# Altium PCB pcb-4layer-1oz-1.6mm.PcbDoc (part 2 of 4) (continued)
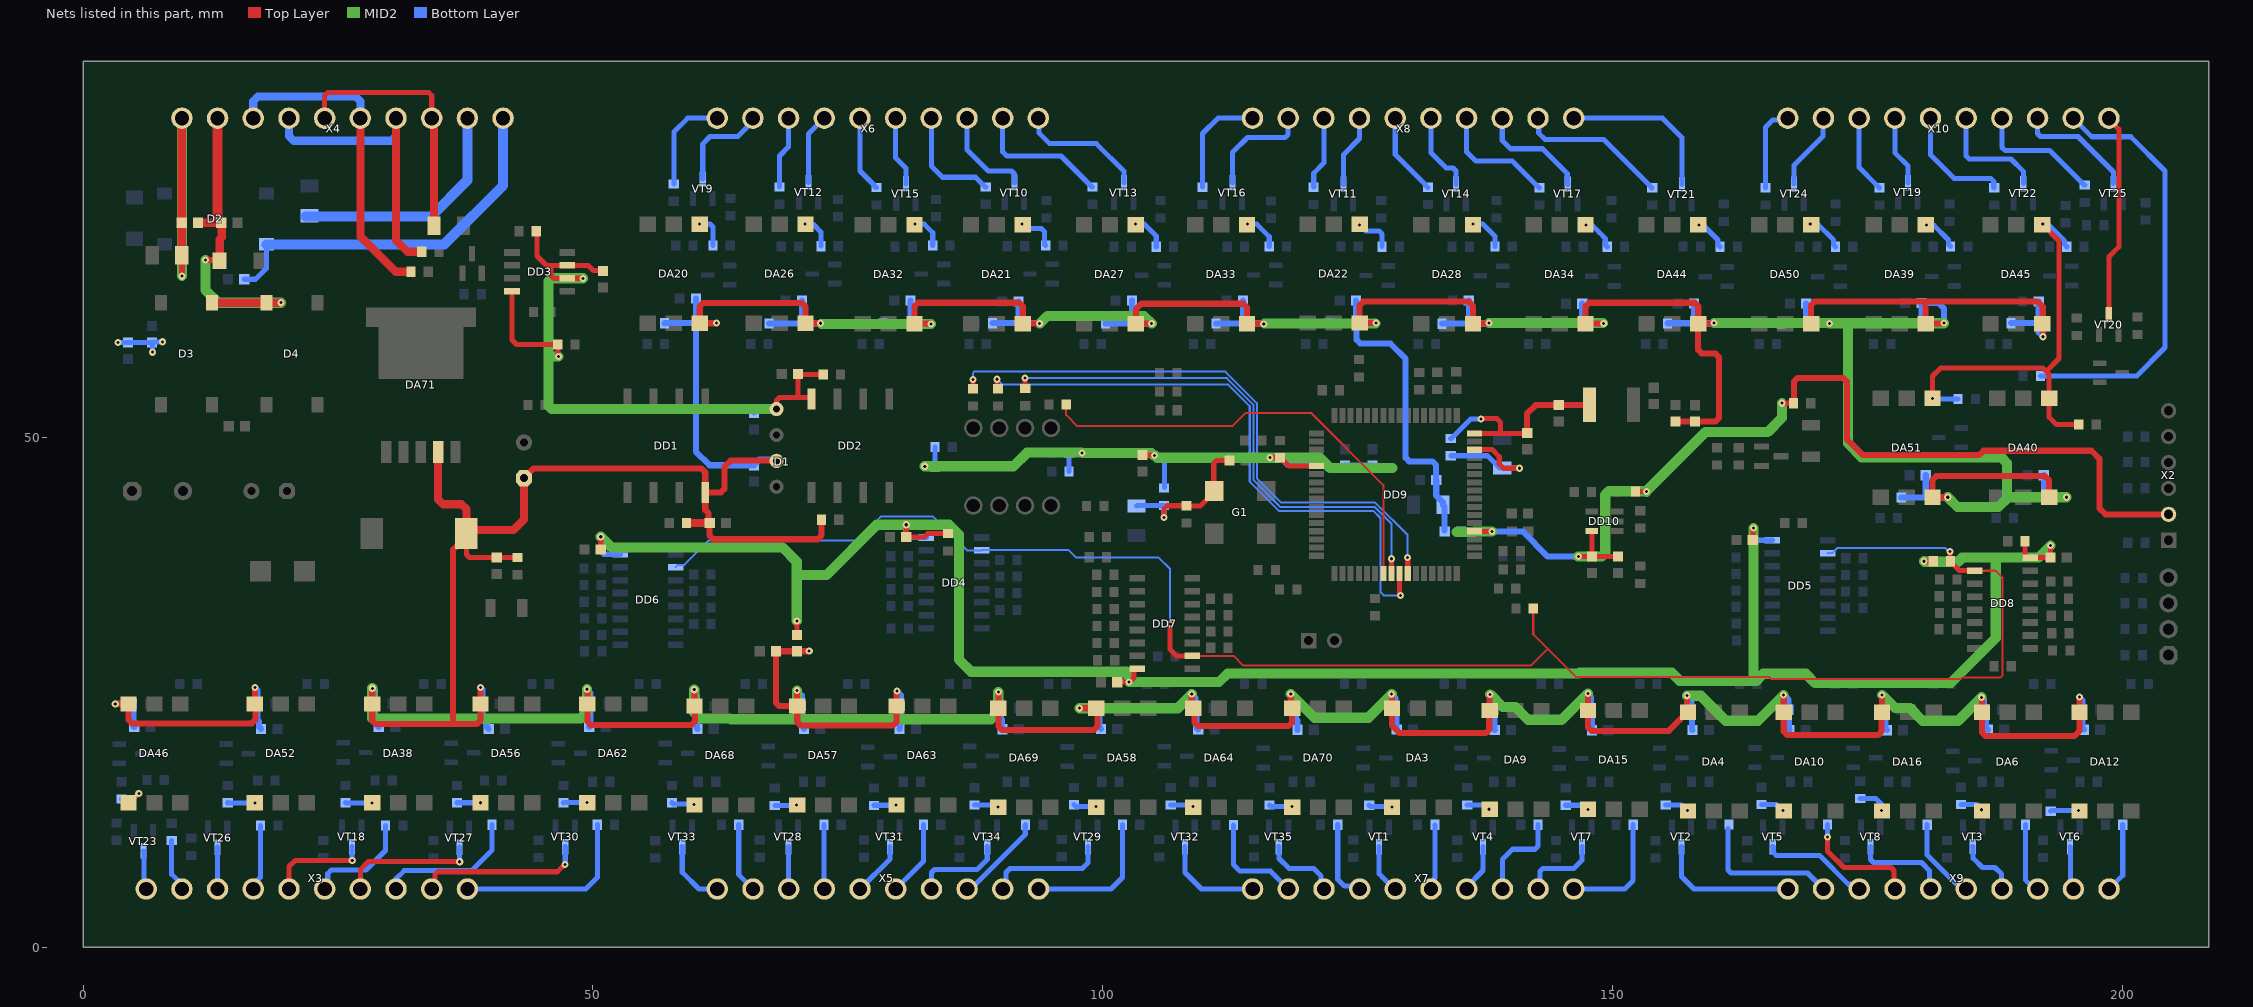
[diagram p4: the nets of this part, all layers, seen from the top]
## Nets (pads, with @x,y where several pads share a name; then routed paths per layer and width w, separated by ;. In a path a pad name is that pad's centre, name@x,y a point inside that pad or via, vN(x,y) a via of type N, cw(c..) or ccw(c..) an arc to the next point about the centre after c; other vN are vias at no path point) (continued)
43: R164.2 X5.7 | length 6.3
  Bottom Layer w0.5: R164.2@72.656,12.003 72.681,11.978 72.681,5.723 X5.7@72.707,5.698
44: VT28.3 X5.8 | length 4.2
  Bottom Layer w0.5: VT28.3@69.185,9.853 69.196,9.843 69.196,5.709 X5.8@69.207,5.698
45: R182.2 X5.5 | length 7.4
  Bottom Layer w0.5: X5.5@79.707,5.698 82.421,8.412 R182.2@82.421,12.003
46: VT31.3 X5.6 | length 5.4
  Bottom Layer w0.5: X5.6@76.207,5.698 79.135,8.626 VT31.3@79.135,9.853
47: R200.2 X5.3 | length 8.9
  Bottom Layer w0.5: X5.3@86.707,5.698 87.06,5.698 92.409,11.046 92.409,11.972 R200.2@92.44,12.003
48: VT34.3 X5.4 | length 8.9
  Bottom Layer w0.5: X5.4@83.207,5.698 83.207,7.307 83.499,7.6 87.689,7.6 88.677,8.588 VT34.3@88.677,9.853
49: R165.2 X5.1 | length 13.9
  Bottom Layer w0.5: X5.1@93.707,5.698 100.807,5.698 101.938,6.829 R165.2@101.938,12.003
50: VT29.3 X5.2 | length 11.8
  Bottom Layer w0.5: X5.2@90.207,5.698 90.513,6.004 90.513,7.313 90.9,7.7 98,7.7 98.545,8.245 VT29.3@98.545,9.853
51: R185.2 X7.9 | length 10.3
  Bottom Layer w0.5: R185.2@112.819,11.986 112.819,8.093 113.451,7.461 116.443,7.461 X7.9@118.207,5.698
52: VT32.3 X7.10 | length 9.8
  Bottom Layer w0.5: VT32.3@108.085,9.853 108.085,7.315 109.702,5.698 X7.10@114.707,5.698
53: R201.2 X7.7 | length 7.9
  Bottom Layer w0.5: R201.2@123.059,12.003 123.059,6.641 123.7,6 124.905,6 X7.7@125.207,5.698
54: VT35.3 X7.8 | length 7.4
  Bottom Layer w0.5: VT35.3@117.268,9.853 117.3,9.822 117.3,8.7 118.3,7.7 120.7,7.7 121.432,6.968 121.432,5.973 X7.8@121.707,5.698
55: R6.2 X7.5 | length 6.4
  Bottom Layer w0.5: X7.5@132.207,5.698 132.513,6.004 132.513,6.725 132.579,6.791 R6.2@132.579,11.953
56: VT1.3 X7.6 | length 4.9
  Bottom Layer w0.5: VT1.3@127.117,9.853 127.117,7.183 127.5,6.8 128.602,5.698 X7.6@128.707,5.698
57: R23.2 X7.3 | length 9
  Bottom Layer w0.5: X7.3@139.207,5.698 139.207,8.607 140.2,9.6 142.4,9.6 142.709,9.909 R23.2@142.709,12.003
58: VT4.3 X7.4 | length 4.8
  Bottom Layer w0.5: X7.4@135.707,5.698 135.707,5.897 137.31,7.5 VT4.3@137.31,9.853
59: R41.2 X7.1 | length 11.6
  Bottom Layer w0.5: X7.1@146.207,5.698 151.198,5.698 152.033,6.533 R41.2@152.033,12.003
60: VT7.3 X7.2 | length 7.7
  Bottom Layer w0.5: X7.2@142.707,5.698 142.875,5.866 142.875,7.407 143.168,7.7 146.2,7.7 146.996,8.496 VT7.3@146.996,9.853
61: R7.2 X9.9 | length 14.2
  Bottom Layer w0.5: R7.2@161.325,11.629 161.325,7.557 161.617,7.264 169.14,7.264 X9.9@170.707,5.698
62: VT2.3 X9.10 | length 13.9
  Bottom Layer w0.5: VT2.3@156.77,9.853 156.77,6.93 158.002,5.698 X9.10@167.207,5.698
63: R24.2 X9.7 | length 11.8
  Top Layer w0.5: v1(171.1,10.8) 171.1,9.4 172.7,7.8 177.307,7.8 177.6,7.507 177.6,5.805 X9.7@177.707,5.698
  Bottom Layer w0.5: R24.2@171.081,12.019 171.081,10.819 v1(171.1,10.8)
64: VT5.3 X9.8 | length 10.5
  Bottom Layer w0.5: VT5.3@165.722,9.853 165.772,9.803 165.772,9.293 166.065,9 170.298,9 173.131,6.168 173.304,6.168 173.774,5.698 X9.8@174.207,5.698
65: R42.2 X9.5 | length 8.2
  Bottom Layer w0.5: R42.2@180.867,11.997 180.867,9.033 183.682,6.218 183.753,6.218 184.274,5.698 X9.5@184.707,5.698
66: VT8.3 X9.6 | length 9.4
  Bottom Layer w0.5: VT8.3@175.308,9.853 175.308,8.593 175.601,8.3 180.3,8.3 181.102,7.498 181.102,5.803 X9.6@181.207,5.698
67: R13.2 X9.3 | length 7
  Bottom Layer w0.5: R13.2@190.494,12.003 190.494,6.606 191.402,5.698 X9.3@191.707,5.698
68: VT3.3 X9.4 | length 6.1
  Bottom Layer w0.5: VT3.3@185.339,9.869 185.377,9.831 185.377,8.706 186.284,7.8 187.528,7.8 188.146,7.183 188.146,5.759 X9.4@188.207,5.698
69: R33.2 X9.1 | length 6.9
  Bottom Layer w0.5: X9.1@198.707,5.698 200.051,7.042 R33.2@200.051,12.003
70: VT6.3 X9.2 | length 4.3
  Bottom Layer w0.5: VT6.3@194.883,9.853 194.933,9.803 194.933,5.971 X9.2@195.207,5.698
71: R215.1 X4.3 X4.6 | length 32.2
  Top Layer w0.8: X4.6@27.193,81.301 27.193,69.707 30.4,66.5 30.666,66.234 R215.1@32.159,66.234
  Bottom Layer w0.8: X4.3@16.693,81.301 16.693,82.963 17.162,83.431 26.725,83.431 27.193,82.963 X4.6@27.193,81.301
72: R216.1 X4.4 X4.7 | length 29.4
  Top Layer w0.8: X4.7@30.693,81.301 30.693,69.307 31.804,68.196 R216.1@33.224,68.196
  Bottom Layer w0.8: X4.4@20.193,81.301 20.193,79.549 20.662,79.08 30.225,79.08 30.693,79.549 X4.7@30.693,81.301
73: R322.2 X4.5 X4.8 | length 25.8
  Top Layer w0.5: X4.5@23.693,81.301 23.693,83.507 23.986,83.8 33.9,83.8 34.193,83.507 X4.8@34.193,81.301
  Top Layer w0.8: X4.8@34.193,81.301 34.418,81.076 R322.2@34.418,70.755
74: FU1.1 X4.9 | length 23.5
  Bottom Layer w1: FU1.1@21.802,71.667 34.167,71.667 37.693,75.193 X4.9@37.693,81.301
75: C41.2 D2.4 X4.10 | length 37.2
  Bottom Layer w0.5: C41.2@15.8,65.5 16.914,65.5 17.982,66.568 D2.4@17.982,68.922
  Bottom Layer w1: D2.4@17.982,68.922 35.422,68.922 41.193,74.693 X4.10@41.193,81.301
76: C71.1 FU2.1 X4.1 | length 31
  Top Layer w0.6: FU2.1@9.678,67.838 9.689,67.827 9.689,65.811 v1(9.7,65.8)
  Top Layer w0.8: C71.1@9.676,71.047 9.684,71.055 9.684,81.293 X4.1@9.693,81.301 ; FU2.1@9.678,67.838 C71.1@9.678,71.044
  Top Layer w1: C71.1@9.676,71.047 C71.1@9.678,71.044
  MID2 w1: v1@9.693,65.807 X4.1@9.693,81.301
77: C65.2 C71.2 D3.3 D4.4 VD3.2 X4.2 | length 35.5
  Top Layer w0.6: v1(12,67.4) VD3.2@13.295,67.4
  Top Layer w0.8: C71.2@11.276,71.047 C65.2@13.547,71.047 13.6,70.994 13.6,69.6 13.4,69.4 13.4,67.332 VD3.2@13.382,67.313 VD3.2@13.295,67.4 ; D3.3@12.7,63.3 12.799,63.201 D4.4@17.982,63.201 v1(19.4,63.2)
  Top Layer w1: X4.2@13.193,81.301 13.193,71.4 C65.2@13.547,71.047
  MID2 w1: v1(12,67.4) 12,64.451 13.251,63.2 v1(19.4,63.2)
+5: C1.1 C2.1 C3.1 C4.1 C5.1 C6.1 C7.1 C8.1 C9.1 C10.1 C11.1 C12.1 C13.1 C14.1 C15.1 C16.1 C17.1 C18.1 C19.1 C20.1 C21.1 C22.1 C23.1 C24.1 C25.1 C26.1 C27.1 C28.1 C29.1 C30.1 C31.1 C32.1 C33.1 C34.1 C35.1 C36.2 C37.1 C43.1 C49.1 C51.1 C60.1 C69.1 C70.1 D1.2 DA3.6 DA4.6 DA6.6 DA9.6 DA10.6 DA12.6 DA15.6 DA16.6 DA20.6 DA21.6 DA22.6 DA26.6 DA27.6 DA28.6 DA32.6 DA33.6 DA34.6 DA38.6 DA39.6 DA40.6 DA44.6 DA45.6 DA46.6 DA50.6 DA51.6 DA52.6 DA56.6 DA57.6 DA58.6 DA62.6 DA63.6 DA64.6 DA68.6 DA69.6 DA70.6 DA71.4 DD1.8 L2.1 L3.1 L5.1 L7.1 R11.2 R12.2 R17.2 R28.2 R29.2 R39.2 R45.2 R46.2 R61.2 R62.2 R63.2 R79.2 R80.2 R81.2 R97.2 R98.2 R99.2 R115.2 R116.2 R117.2 R133.2 R134.2 R135.2 R151.2 R152.2 R153.2 R169.2 R170.2 R171.2 R187.2 R188.2 R189.2 R205.2 R206.2 R207.2 R211.2 R212.2 R321.2 | length 888.7
  Top Layer w0.5: L7.1@37.598,40.559 37.598,40.134 37.598,38.493 37.891,38.2 40.577,38.2 C70.1@40.582,38.205 40.592,38.215 42.608,38.215 R321.2@42.619,38.226
  Top Layer w0.6: v1(3.158,23.851) v1(3.158,23.851) 4.459,23.851 DA46.6@4.46,23.85 4.46,22.291 4.811,21.939 16.549,21.939 16.9,22.291 16.9,23.796 DA52.6@16.846,23.85 16.846,25.443 v1(16.848,25.445) ; v1(28.367,25.381) v1(28.367,25.381) DA38.6@28.368,23.85 28.368,22.219 28.719,21.868 36.277,21.868 ; L7.1@37.6,40.561 37.6,40.136 37.598,40.134 36.798,39.334 36.628,39.334 36.277,38.982 36.277,21.868 ; v1(38.989,25.472) 38.976,25.459 DA56.6@38.976,23.85 38.976,22.219 38.624,21.868 36.277,21.868 ; C69.1@43.238,45.994 44.169,46.925 60.67,46.925 61.022,46.573 DD1.8@61.022,44.598 ; v1(49.411,25.29) 49.411,25.263 49.462,25.213 49.462,23.852 DA62.6@49.46,23.85 49.46,22.126 49.811,21.775 59.649,21.775 60,22.126 60,23.606 DA68.6@59.962,23.644 59.954,23.652 59.954,25.235 v1(59.945,25.243) ; v1(62.114,61.203) 62.1,61.189 DA20.6@60.478,61.189 60.478,62.836 60.829,63.187 70.495,63.187 70.847,62.836 DA26.6@70.847,61.201 ; C43.1@67.965,29.021 67.965,23.938 68.251,23.651 68.449,23.651 68.456,23.644 DA57.6@70.043,23.644 ; C43.1@67.966,29.02 L2.1@70.03,29.02 ; D1.2@67.986,47.709 63.509,47.709 62.9,47.1 62.9,44.951 62.549,44.6 61.024,44.6 DD1.8@61.022,44.598 ; v1(70.023,25.169) 70.033,25.159 70.033,23.654 DA57.6@70.043,23.644 ; L2.1@70.03,29.02 71.212,29.02 v1(71.217,29.025) ; DA26.6@70.859,61.189 72.337,61.189 v1(72.341,61.184) ; R212.2@72.411,41.918 72.411,40.351 72.059,40 61.809,40 61.457,40.351 C37.1@61.457,41.587 61.348,41.696 61.348,42.552 61.022,42.878 DD1.8@61.022,44.598 ; v1(79.824,25.107) 79.789,25.071 DA63.6@79.789,23.644 79.789,22.083 79.437,21.732 70.395,21.732 70.043,22.083 DA57.6@70.043,23.644 ; v1(83.178,61.116) 83.151,61.116 83.118,61.15 DA32.6@81.54,61.15 81.54,62.849 81.891,63.2 91.8,63.2 92.16,62.84 DA21.6@92.16,61.15 92.164,61.154 93.82,61.154 v1(93.824,61.159) ; v1(89.772,25.025) DA69.6@89.771,23.428 89.771,21.651 90.123,21.3 99.149,21.3 99.5,21.651 99.5,23.305 DA58.6@99.378,23.428 97.748,23.428 v1(97.744,23.431) ; v1@104.81,61.15 DA27.6@103.255,61.15 103.255,62.555 103.8,63.1 113.804,63.1 114.155,62.749 DA33.6@114.155,61.15 115.75,61.15 v1(115.8,61.1) ; v1(108.738,24.811) 108.738,23.567 DA64.6@108.877,23.428 109,23.305 109,22.051 109.351,21.7 118.228,21.7 118.58,22.051 DA70.6@118.58,23.428 118.446,23.561 v1(118.446,24.83) ; v1(126.8,61.2) 126.799,61.201 DA22.6@125.201,61.201 125.201,62.949 125.552,63.3 135.9,63.3 136.313,62.887 DA28.6@136.313,61.15 137.85,61.15 v1(137.9,61.2) ; v1(128.345,24.802) 128.381,24.766 DA3.6@128.381,23.428 128.381,21.719 129.115,20.985 137.56,20.985 137.911,21.336 137.911,23.167 DA9.6@137.957,23.213 137.957,24.747 v1(137.996,24.787) ; v1(147.591,24.877) 147.598,24.869 147.598,21.563 147.95,21.211 155.522,21.211 157.356,23.045 DA4.6@157.406,23.045 157.323,23.128 v1(157.323,24.658) ; v1(149.141,61.166) 149.124,61.15 DA34.6@147.361,61.15 147.361,62.849 147.712,63.2 158.066,63.2 158.417,62.849 DA44.6@158.417,61.15 158.446,61.178 159.93,61.178 v1(159.949,61.198) ; L5.1@156.189,51.555 156.198,51.547 158.083,51.547 C60.1@158.091,51.538 160.083,51.538 160.435,51.89 160.435,57.872 160.083,58.224 158.758,58.224 158.406,58.575 DA44.6@158.406,61.139 ; v1(166.788,24.72) 166.799,24.709 DA10.6@166.799,23.045 166.799,21.151 167.151,20.8 176.049,20.8 176.4,21.151 176.4,23.002 DA16.6@176.443,23.045 176.443,24.723 v1(176.446,24.726) ; DA50.6@169.481,61.15 169.481,62.976 169.833,63.327 180.366,63.327 ; 180.373,63.321 191.679,63.321 192.2,62.8 192.2,61.195 DA45.6@192.155,61.15 192.216,61.089 192.216,59.878 v1(192.235,59.859) ; 180.718,63.3 DA39.6@180.718,61.15 182.45,61.15 v1(182.5,61.2) ; v1(182.885,44.118) 182.882,44.116 DA51.6@181.387,44.116 181.387,45.849 181.739,46.2 192.4,46.2 192.83,45.77 DA40.6@192.83,44.116 ; v1(186.2,24.5) 186.2,24.473 186.237,24.436 DA6.6@186.237,23.045 186.237,21.051 186.589,20.7 195.3,20.7 195.808,21.208 v1(195.808,24.514)
  Top Layer w0.8: DA71.4@34.826,48.561 34.826,43.903 35.295,43.435 37.131,43.435 37.6,42.966 L7.1@37.6,40.561 ; L7.1@37.598,40.559 L7.1@37.6,40.561 ; C69.1@43.238,45.994 43.238,41.938 42.2,40.9 37.939,40.9 L7.1@37.6,40.561 ; R211.2@59.195,41.587 C37.1@61.457,41.587
  MID2 w0.6: v1(72.341,61.184) 72.368,61.184 v1@72.437,61.116 ; v1(93.824,61.159) v1@93.83,61.154 ; v1@104.806,61.154 v1(104.811,61.149) ; v1@149.079,61.2 149.113,61.166 v1(149.141,61.166)
  MID2 w1: v1(28.367,25.381) 28.367,22.423 42.044,22.423 42.056,22.435 48.826,22.435 49.411,23.021 v1(49.411,25.29) ; v1(59.945,25.243) 59.945,23.003 60.531,22.417 63.454,22.417 63.533,22.339 70,22.339 ; v1(70.023,25.169) 70.023,22.361 70,22.339 ; v1@72.437,61.116 v1@83.151,61.116 ; v1@89.762,25.015 89.762,23.079 89.021,22.339 70,22.339 ; v1@93.83,61.154 94.576,61.9 104.06,61.9 v1@104.806,61.154 ; v1(97.744,23.431) 107.358,23.431 v1(108.738,24.811) ; v1@115.866,61.166 v1@126.766,61.166 ; v1(118.446,24.83) 120.776,22.5 126.043,22.5 v1(128.345,24.802) ; v1(137.9,61.2) v1@149.079,61.2 ; v1(137.996,24.787) 139.24,23.543 140.472,23.543 141.715,22.3 145.014,22.3 v1(147.591,24.877) ; v1(157.323,24.658) 158.655,24.658 161.114,22.2 164.268,22.2 v1(166.788,24.72) ; v1(159.949,61.198) 171.233,61.198 171.266,61.164 v1(171.293,61.164) ; v1@171.313,61.183 171.383,61.183 173.1,61.183 ; v1(176.446,24.726) 177.709,23.463 179.151,23.463 180.414,22.2 183.9,22.2 v1(186.2,24.5) ; v1@182.483,61.183 173.1,61.183 ; v1(182.885,44.118) 183.838,43.165 187.846,43.165 188.8,44.119 ; v1(194.525,44.12) 194.524,44.119 188.8,44.119 ; 173.1,61.183 173.1,49.4 174.449,48.051 188.114,48.051 188.7,47.465 188.7,44.219 188.8,44.119
  Bottom Layer w0.6: v1(3.158,23.851) 3.175,23.869 R135.2@4.822,23.869 4.92,23.771 4.92,21.681 C23.1@5.017,21.583 ; v1(16.848,25.445) 16.848,25.418 17.126,25.139 R153.2@17.126,23.869 17.126,22.274 17.256,22.144 17.256,21.599 C26.1@17.456,21.399 ; v1(28.367,25.381) 28.367,25.354 28.618,25.103 R115.2@28.618,23.869 28.618,22.482 28.809,22.291 28.809,21.783 C18.1@29.009,21.583 ; v1(38.989,25.472) 38.989,25.445 39.149,25.286 R169.2@39.149,23.909 ; R169.2@39.108,23.869 39.172,23.804 39.172,22.91 39.582,22.5 39.582,21.599 C27.1@39.782,21.399 ; v1(49.411,25.29) 49.411,25.263 49.776,24.898 49.776,23.871 R187.2@49.779,23.869 ; C30.1@49.642,21.583 49.762,21.703 R187.2@49.762,23.852 ; R62.2@57.037,61.183 57.047,61.193 60.1,61.193 ; v1(59.945,25.243) 59.964,25.224 59.964,24.736 60.2,24.5 60.2,23.659 R205.2@60.206,23.653 60.231,23.628 60.231,21.424 C33.1@60.256,21.399 ; C9.1@60.102,63.603 60.102,61.195 60.1,61.193 ; v1(62.114,61.203) 62.104,61.193 60.1,61.193 ; R79.2@67.278,61.175 67.283,61.179 70.4,61.179 ; D1.2@68.008,47.688 67.888,47.808 66.347,47.808 C36.2@65.794,47.254 61.446,47.254 60.1,48.6 60.1,61.193 ; v1(70.023,25.169) 70.023,25.142 70.5,24.665 70.5,23.705 R170.2@70.447,23.653 70.5,23.6 70.5,22.5 70.7,22.3 70.7,21.405 C28.1@70.706,21.399 ; C12.1@70.508,63.417 70.508,61.287 70.4,61.179 ; v1(72.341,61.184) 72.337,61.179 70.4,61.179 ; R99.2@78.43,61.157 81.1,61.157 ; v1(79.824,25.107) 79.824,25.08 80.2,24.704 80.2,23.676 R188.2@80.176,23.653 80.132,23.608 80.132,21.431 C31.1@80.087,21.386 ; C15.1@81.151,63.417 81.151,61.207 81.1,61.157 ; v1(83.178,61.116) 83.151,61.116 83.111,61.157 81.1,61.157 ; R61.2@89.201,61.194 91.8,61.194 ; v1(89.772,25.025) 89.791,25.006 89.791,24.409 90,24.2 90,23.469 R207.2@90.032,23.438 90.032,22.368 90.1,22.3 90.1,21.427 C34.1@90.165,21.361 ; C10.1@91.756,63.315 91.756,61.238 91.8,61.194 ; v1(93.824,61.159) 93.797,61.159 93.762,61.194 91.8,61.194 ; v1(97.744,23.431) 97.747,23.434 99.597,23.434 R171.2@99.6,23.438 99.7,23.338 99.7,21.537 C29.1@99.837,21.4 ; R80.2@100.268,61.159 100.273,61.154 102.9,61.154 ; C13.1@102.864,63.417 102.864,61.19 102.9,61.154 ; v1(104.811,61.149) 104.806,61.154 102.9,61.154 ; v1(108.738,24.811) 108.757,24.792 108.757,24.765 109.099,24.423 109.099,23.489 R189.2@109.15,23.438 109.191,23.397 109.191,21.53 C32.1@109.366,21.355 ; R97.2@111.117,61.174 113.7,61.174 ; C16.1@113.751,63.417 113.751,61.225 113.7,61.174 ; v1(115.8,61.1) 115.773,61.1 115.699,61.174 113.7,61.174 ; 118.811,24.493 118.811,23.588 R206.2@118.961,23.438 118.961,22.339 119.1,22.2 119.1,21.328 C35.1@119.106,21.322 ; R63.2@122.162,61.208 122.166,61.204 124.9,61.204 ; C11.1@124.859,63.417 124.859,61.245 124.9,61.204 ; v1(126.8,61.2) 126.796,61.204 124.9,61.204 ; v1(128.345,24.802) 128.345,24.775 128.7,24.42 128.7,23.472 R11.2@128.665,23.438 128.8,23.303 128.8,21.396 C1.1@128.841,21.355 ; R81.2@133.266,61.146 136,61.146 ; L3.1@133.541,40.873 133.541,43.21 C49.1@133.374,43.377 133.374,43.627 132.719,44.283 C51.1@132.719,45.814 132.7,45.833 132.7,47.28 132.349,47.632 130.064,47.632 129.713,47.983 129.713,57.693 128.206,59.2 125.251,59.2 124.9,59.551 124.9,61.204 ; C14.1@135.913,63.417 135.913,61.233 136,61.146 ; v1(137.9,61.2) 137.873,61.2 137.819,61.146 136,61.146 ; 138.357,24.443 R28.2@138.357,23.27 138.408,23.219 138.408,21.347 C4.1@138.459,21.297 ; R98.2@144.25,61.224 147.2,61.224 ; C17.1@147.039,63.102 147.039,61.385 147.2,61.224 ; 147.9,24.541 147.9,23.316 R46.2@147.946,23.27 147.97,23.246 147.97,21.283 C7.1@147.994,21.259 ; v1(149.141,61.166) 149.113,61.166 149.055,61.224 147.2,61.224 ; R134.2@155.404,61.169 155.418,61.183 158,61.183 ; v1(157.323,24.658) 157.323,24.655 157.721,24.257 157.721,23.307 R12.2@157.758,23.27 157.807,23.221 157.807,21.343 C2.1@157.856,21.294 ; C21.1@158.006,63.128 158.006,61.19 158,61.183 ; v1(159.949,61.198) 159.935,61.183 158,61.183 ; R151.2@166.535,61.176 166.541,61.17 168.914,61.17 ; v1(166.788,24.72) 166.815,24.72 167.268,24.267 167.268,23.296 R29.2@167.285,23.28 ; R29.2@167.294,23.27 167.317,23.248 167.317,21.297 C5.1@167.34,21.275 ; C24.1@168.998,63.137 168.998,61.254 168.914,61.17 ; v1(171.293,61.164) 171.287,61.17 168.914,61.17 ; v1(176.446,24.726) 176.446,24.699 176.622,24.522 R45.2@176.622,23.273 ; R45.2@176.62,23.27 176.761,23.13 176.761,21.423 C8.1@176.907,21.277 ; R116.2@177.825,61.197 179.949,61.197 180.3,61.548 180.3,63.175 C19.1@180.295,63.18 180.315,63.2 181.949,63.2 182.5,62.649 v1(182.5,61.2) ; R152.2@178.32,44.102 178.328,44.11 180.602,44.11 ; C25.1@180.724,46.284 180.724,44.232 180.602,44.11 ; v1(182.885,44.118) 182.877,44.11 180.602,44.11 ; v1(186.2,24.5) 186.2,24.473 186.41,24.262 186.41,23.345 R17.2@186.485,23.27 186.629,23.126 186.629,21.5 C3.1@186.816,21.313 ; R133.2@189.088,61.192 191.8,61.192 ; R117.2@189.756,44.153 192.3,44.153 ; C22.1@191.81,63.304 191.8,63.294 191.8,61.192 ; v1(192.235,59.859) 191.8,60.294 191.8,61.192 ; C20.1@192.307,46.284 192.307,44.16 192.3,44.153 ; v1(194.525,44.12) 194.498,44.12 194.465,44.153 192.3,44.153 ; v1(195.808,24.514) 195.808,24.487 196.1,24.195 196.1,23.296 R39.2@196.075,23.27 196.1,23.245 196.1,21.474 C6.1@196.249,21.325
+5_GEN: C50.1 C52.1 G1.4 R275.2 R276.1 | length 15
  Top Layer w0.5: v1(106.01,42.134) 106.034,42.157 106.034,42.989 106.327,43.282 R275.2@108.229,43.282 ; R275.2@108.232,43.279 109.603,43.279 G1.4@111.1,44.776 ; G1.4@110.959,44.735 110.893,44.802 110.893,47.444 111.186,47.737 C50.1@112.435,47.737
  Bottom Layer w0.5: C52.1@103.314,43.257 103.348,43.292 105.985,43.292 R276.1@106.019,43.327 106.019,42.142 v1(106.01,42.134)
+5_L: C44.1 C45.1 C46.1 C47.1 C48.1 DD4.16 DD5.16 DD6.16 DD7.16 DD8.16 L2.2 R233.2 R240.2 R245.2 | length 226.5
  Top Layer w0.5: v1(50.771,40.244) 50.772,40.243 C46.1@50.772,39.005 ; v1(70,32) 70.03,31.97 L2.2@70.03,30.62 ; v1(80.737,41.423) 80.74,41.42 80.74,40.211 C45.1@80.744,40.207 82.489,40.207 82.834,40.552 R240.2@84.83,40.552 ; C44.1@101.422,25.982 102.582,25.982 v1(102.6,26) 102.638,26.038 102.699,26.038 103.053,26.393 103.053,27.215 103.128,27.29 DD7.16@103.381,27.29 ; C47.1@163.764,39.934 163.764,41.03 v1(163.825,41.091) ; v1(180.562,37.841) 181.455,37.841 R233.2@181.46,37.836 ; R245.2@190.462,39.797 190.462,38.255 190.537,38.18 DD8.16@190.974,38.18 190.986,38.192 192.938,38.192 C48.1@192.95,38.204 192.95,39.363 v1(192.972,39.385)
  MID2 w1: v1(50.771,40.244) 51.814,39.2 68.6,39.2 70,37.8 70,36.5 ; v1(70,32) 70,36.5 ; 163.834,26.108 164.094,26.108 164.786,26.8 168.95,26.8 169.85,25.9 183.186,25.9 187.6,30.314 187.6,38.2 ; v1@163.834,41.082 163.834,26.106 156.608,26.106 155.814,26.9 146.777,26.9 146.714,26.836 112.251,26.836 111.414,26 v1(102.6,26) 102.562,26.038 102.562,26.745 102.307,27 87.1,27 85.9,28.2 85.9,40.437 84.914,41.423 v1(80.737,41.423) 77.85,41.423 72.927,36.5 70,36.5 ; v1(180.562,37.841) 180.603,37.8 183.901,37.8 184.301,38.2 187.6,38.2 ; v1(192.972,39.385) 191.787,38.2 187.6,38.2
  Bottom Layer w0.5: v1(50.771,40.244) 50.771,38.829 51.067,38.533 DD6.16@52.69,38.533 ; v1(80.737,41.423) 80.737,40.47 81.03,40.177 DD4.16@82.709,40.177 ; v1(163.825,41.091) 163.864,41.053 163.864,40.236 164.196,39.904 DD5.16@165.682,39.904
+5_MCU: C53.1 C54.1 C55.1 C56.1 C57.1 DD9.21 DD9.52 DD10.5 L3.2 R276.2 R290.2 R295.1 R303.1 R305.1 R306.1 R315.2 R319.2 X2.2 | length 181.1
  Top Layer w0.5: C55.1@103.9,48.256 105.044,48.256 v1(105.1,48.2) ; v1(116.4,48) 117.398,48 R290.2@117.4,47.997 117.45,47.997 118.266,47.182 DD9.21@120.975,47.182 ; DD9.52@136.475,40.782 136.482,40.774 138.189,40.774 v1(138.196,40.767) ; v1(146.653,38.304) 146.66,38.297 C56.1@147.996,38.297 C57.1@150.533,38.297 ; DD10.5@147.958,40.809 147.977,40.79 147.977,38.309 C56.1@147.984,38.302 ; R315.2@152.252,44.689 152.262,44.679 153.321,44.679 v1(153.332,44.668) ; v1(166.622,53.343) 166.628,53.337 R319.2@167.755,53.337
  Top Layer w0.6: R319.2@167.789,53.371 167.789,55.449 168.141,55.8 172.649,55.8 173,55.449 173,49.8 174.549,48.251 185.961,48.251 186.389,48.678 196.983,48.678 197.762,47.899 197.762,43.038 198.356,42.444 X2.2@204.546,42.444
  MID2 w1: v1(82.548,47.156) 91.256,47.156 92.596,48.496 v1@97.926,48.496 ; v1@98.012,48.464 104.782,48.464 105.046,48.2 v1(105.1,48.2) ; v1@105.154,48.2 105.354,48 121.286,48 122.286,47 128.4,47 ; 134.7,40.7 136.387,40.7 136.455,40.767 v1(138.196,40.767) ; v1(146.653,38.304) 148.949,38.304 149.3,38.655 149.3,44.349 149.651,44.7 v1@153.3,44.7 ; v1(153.332,44.668) v1@153.3,44.7 ; v1(166.622,53.343) 166.622,51.922 165.212,50.512 159.112,50.512 v1@153.3,44.7
  Bottom Layer w0.5: v1@82.549,47.157 R303.1@83.567,47.157 83.557,47.167 83.557,49.041 R295.1@83.547,49.051 ; R305.1@96.707,46.656 96.7,46.664 96.7,48.452 R306.1@96.692,48.46 97.953,48.46 v1(97.958,48.464) ; v1(105.1,48.2) 105.76,48.2 106.053,47.907 R276.2@106.053,45.06 ; v1(116.4,48) 117.4,48 118.167,47.233 C53.1@123.763,47.233
  Bottom Layer w0.6: C53.1@123.763,47.233 C54.1@126.464,47.233 ; L3.2@135.154,40.759 135.158,40.763 138.192,40.763 v1(138.196,40.767) 141.193,40.767 143.656,38.304 v1(146.653,38.304)
+5V_ISO: C38.2 C39.2 C40.1 D1.4 DD2.8 DD3.2 DD3.3 DD3.8 R213.2 R214.2 R219.2 | length 75.3
  Top Layer w0.5: DD3.8@42.067,64.316 42.067,59.533 42.501,59.099 R213.2@46.556,59.099 46.585,59.07 46.585,57.936 v1(46.613,57.908) ; R219.2@44.452,70.217 44.51,70.16 44.51,67.79 45.444,66.856 45.9,66.856 ; v1(49.04,65.584) 49.024,65.6 47.503,65.6 DD3.2@47.489,65.586 46.193,65.586 45.9,65.879 45.9,66.856 ; C40.1@51,66.3 50.943,66.357 50.043,66.357 49.544,66.856 DD3.3@47.489,66.856 45.9,66.856 ; D1.4@68.008,52.768 68,52.776 68,53.607 68.293,53.9 70.1,53.9 ; DD2.8@71.448,53.748 71.448,53.775 71.323,53.9 70.1,53.9 ; R214.2@72.6,56.145 72.574,56.17 70.152,56.17 C38.2@70.127,56.196 70.127,53.927 70.1,53.9
  MID2 w1: v1@46.601,57.92 45.654,57.92 ; v1(49.04,65.584) 49.024,65.6 45.947,65.6 45.654,65.307 45.654,57.92 ; D1.4@67.991,52.785 45.947,52.785 45.654,53.078 45.654,57.92
  Bottom Layer w0.5: C39.2@65.794,52.369 66.193,52.768 D1.4@68.008,52.768
+12V_INPUTS: C42.1 DA3.1 DA4.1 DA6.1 DA9.1 DA10.1 DA12.1 DA15.1 DA16.1 DA20.1 DA21.1 DA22.1 DA26.1 DA27.1 DA28.1 DA32.1 DA33.1 DA34.1 DA38.1 DA39.1 DA40.1 DA44.1 DA45.1 DA46.1 DA50.1 DA51.1 DA52.1 DA56.1 DA57.1 DA58.1 DA62.1 DA63.1 DA64.1 DA68.1 DA69.1 DA70.1 L1.2 R1.2 R2.2 R5.2 R18.2 R19.2 R27.2 R35.2 R36.2 R49.2 R50.2 R51.2 R67.2 R68.2 R69.2 R85.2 R86.2 R87.2 R103.2 R104.2 R105.2 R121.2 R122.2 R123.2 R139.2 R140.2 R141.2 R157.2 R158.2 R159.2 R175.2 R176.2 R177.2 R193.2 R194.2 R195.2 | length 139.4
  Top Layer w0.5: DA46.1@4.46,14.15 4.51,14.15 5.411,15.051 v1(5.464,15.051) ; DA52.1@16.846,14.15 16.846,14.146 v1(16.868,14.124) ; v1(28.339,14.142) 28.36,14.142 DA38.1@28.368,14.15 ; v1(38.963,14.159) 38.972,14.15 DA56.1@38.976,14.15 ; v1(49.416,14.165) 49.431,14.165 49.447,14.15 DA62.1@49.46,14.15 ; v1(60.462,70.907) 60.462,70.905 DA20.1@60.478,70.889 ; v1(70.8,70.9) 70.848,70.9 DA26.1@70.859,70.889 ; DA70.1@118.58,13.728 118.58,13.769 v1(118.586,13.776) ; v1(181.387,53.816) 181.387,56.001 182.186,56.8 192.2,56.8 192.538,56.462 ; v1(192.2,70.9) 192.2,70.855 193.8,69.255 193.8,57.724 192.538,56.462 ; R105.2@195.74,51.264 193.536,51.264 192.83,51.97 DA40.1@192.83,53.816 192.83,56.17 192.538,56.462
  Bottom Layer w0.5: v1(3.41,59.3) 3.417,59.294 L1.2@4.405,59.294 4.412,59.3 6.749,59.3 C42.1@6.756,59.307 ; R123.2@3.765,14.51 4.869,14.51 5.41,15.051 v1(5.464,15.051) ; v1(6.822,58.346) 6.822,59.242 C42.1@6.756,59.307 ; v1(7.788,59.364) 7.76,59.336 6.785,59.336 C42.1@6.756,59.307 ; R141.2@14.187,14.161 14.224,14.124 v1(16.868,14.124) ; R103.2@25.748,14.161 25.757,14.152 28.329,14.152 v1(28.339,14.142) ; R157.2@36.689,14.161 36.69,14.16 38.962,14.16 v1(38.963,14.159) ; R175.2@47.123,14.161 47.125,14.163 49.414,14.163 v1(49.416,14.165) ; R193.2@57.762,14.161 57.879,14.044 59.821,14.044 59.884,13.981 v1(59.938,13.981) ; v1(60.462,70.907) 61.483,70.907 61.776,70.614 R49.2@61.776,68.821 ; R158.2@67.844,13.894 69.966,13.894 v1(69.987,13.915) ; v1(70.8,70.9) 70.838,70.862 71.638,70.862 72.36,70.14 R67.2@72.36,68.745 ; R176.2@77.574,13.901 77.585,13.912 79.7,13.912 v1(79.711,13.923) ; v1(81.6,70.9) 82.499,70.9 83.339,70.06 R85.2@83.339,68.814 ; R194.2@87.416,13.936 89.494,13.936 89.678,13.753 v1(89.732,13.753) ; v1(92.1,70.9) 92.54,70.46 94.007,70.46 94.3,70.167 94.3,68.927 R50.2@94.412,68.814 ; R159.2@97.2,13.965 97.38,13.785 v1(99.326,13.785) ; v1(103.2,70.9) 104.1,70.9 105.256,69.744 R68.2@105.256,68.687 ; R177.2@106.681,13.94 108.635,13.94 108.794,13.781 v1(108.848,13.781) ; v1@114.207,70.907 115.112,70.907 116.342,69.676 R86.2@116.342,68.704 ; R195.2@116.366,13.932 116.505,13.794 118.568,13.794 v1(118.586,13.776) ; v1(125.2,70.8) 125.254,70.8 125.805,70.249 127.107,70.249 127.4,69.956 R51.2@127.4,68.697 ; R1.2@126.14,13.916 126.284,13.772 128.329,13.772 v1(128.367,13.734) ; R18.2@135.759,13.944 137.408,13.944 137.833,13.519 v1(137.888,13.519) ; v1(136.3,70.9) 137.3,70.9 138.465,69.735 R69.2@138.465,68.704 ; R35.2@145.411,13.909 147.156,13.909 v1(147.579,13.487) ; v1(147.4,70.8) 148,70.8 148.7,70.1 149.293,69.507 149.293,68.877 R87.2@149.484,68.687 ; R2.2@155.218,13.93 156.782,13.93 157.318,13.394 v1(157.372,13.394) ; v1(158.5,70.8) 158.538,70.762 158.938,70.762 159.8,69.9 160.354,69.346 160.354,68.892 R121.2@160.554,68.692 ; R19.2@164.631,13.971 166.086,13.971 166.658,13.399 v1(166.712,13.399) ; v1(169.4,70.9) 170.135,70.9 171.67,69.365 171.67,68.891 R139.2@171.87,68.691 ; R36.2@174.299,14.57 175.82,14.57 176.393,13.997 176.393,13.407 v1(176.4,13.4) ; v1(180.8,70.8) 181.516,70.8 182.968,69.348 182.968,68.903 R104.2@183.168,68.703 ; v1(181.387,53.816) 181.441,53.816 181.51,53.747 R140.2@183.901,53.747 ; R5.2@184.178,13.975 185.7,13.975 v1(186.206,13.469) ; v1(192.2,70.9) 192.226,70.874 192.729,70.874 194.352,69.251 194.352,68.891 R122.2@194.552,68.691 ; R27.2@192.977,13.332 193.045,13.4 v1(195.7,13.4)
  other v1: 114.2,70.9
AREF: C62.1 DD9.62 R314.1 | length 12.8
  Top Layer w0.5: DD9.62@136.489,48.796 138.204,48.796 138.9,48.1 138.9,47.393 139.327,46.966 v1(140.893,46.966)
  Bottom Layer w0.5: R314.1@134.188,48.186 137.75,48.186 138.957,46.979 140.881,46.979 v1(140.893,46.966)
AVCC: C63.1 C64.1 DD9.64 L6.2 R314.2 | length 20.5
  Top Layer w0.5: DD9.64@136.475,50.382 139.03,50.382 ; v1@137.124,51.824 138.676,51.824 139.03,51.47 139.03,50.382 ; C64.1@141.585,50.382 139.03,50.382
  Top Layer w0.6: C64.1@141.585,50.382 C64.1@141.636,50.432 141.636,52.336 142.455,53.155 C63.1@144.723,53.155 147.71,53.155 L6.2@147.752,53.197
  Bottom Layer w0.5: R314.2@134.138,49.886 134.188,49.886 136.102,51.8 v1(137.1,51.8)
CP_to_MCU: DD4.2 DD5.2 DD6.2 DD7.2 DD8.2 R221.2 R233.1 | length 178.2
  Top Layer w0.2: DD7.2@108.805,28.56 112.84,28.56 113.8,27.6 142,27.6 143.65,29.25 ; R221.2@142.229,33.214 142.229,30.671 143.65,29.25 ; DD8.2@185.475,36.985 DD8.2@185.55,36.91 187.573,36.91 188.235,36.248 188.235,26.617 188.076,26.459 184.31,26.459 184.151,26.3 165.549,26.3 165.349,26.5 146.4,26.5 143.65,29.25
  Top Layer w0.5: v1(106.6,31.7) 106.6,29.2 107.24,28.56 DD7.2@108.805,28.56 ; v1(183.1,38.8) 183.1,37.895 R233.1@183.16,37.836 183.16,37.786 184.005,36.941 185.431,36.941 DD8.2@185.475,36.985
  Bottom Layer w0.2: DD6.2@58.114,37.263 58.339,37.488 58.977,37.488 61.371,39.882 75.877,39.882 78.215,42.22 83.38,42.22 86.693,38.907 DD4.2@88.133,38.907 ; DD4.2@88.155,38.932 96.668,38.932 97.395,38.205 105.495,38.205 106.6,37.1 v1(106.6,31.7) ; DD5.2@171.106,38.634 171.544,38.634 172.051,39.142 182.623,39.142 182.965,38.8 v1(183.1,38.8)
DIP_CON_1: DD9.39 R287.2 | length 44.7
  Top Layer w0.2: R287.2@96.421,53.226 96.421,52.2 97.521,51.1 112.721,51.1 114.021,52.4 120.437,52.4 127.525,45.312 DD9.39@127.525,36.632
DIP_CON_2: DD9.40 R292.2 | length 52.1
  Top Layer w0.5: v1(92.4,55.8) 92.4,54.805 R292.2@92.415,54.79 ; DD9.40@128.325,36.632 128.325,38.083 v1(128.328,38.087)
  Bottom Layer w0.2: v1(92.4,55.8) 112.175,55.8 114.776,53.198 114.776,45.824 117.434,43.166 126.666,43.166 128.328,41.504 v1(128.328,38.087)
DIP_CON_3: DD9.41 R288.2 | length 60.1
  Top Layer w0.5: v1(89.648,55.691) 89.648,54.835 R288.2@89.725,54.758 ; DD9.41@129.125,36.632 129.125,34.575 v1(129.2,34.5)
  Bottom Layer w0.2: v1(89.648,55.691) 90.179,55.16 112.32,55.16 114.424,53.055 114.424,45.66 117.321,42.763 126.573,42.763 127.249,42.088 127.249,34.81 127.558,34.5 v1(129.2,34.5)
DIP_CON_4: DD9.42 R293.2 | length 59
  Top Layer w0.5: R293.2@87.274,54.765 87.289,54.781 v1(87.289,55.656) ; v1(129.9,38.2) 129.925,38.175 DD9.42@129.925,36.632
  Bottom Layer w0.2: v1(87.289,55.656) 87.289,56.321 87.407,56.438 112.032,56.438 115.126,53.343 115.126,45.982 117.509,43.6 126.727,43.6 129.9,40.427 v1(129.9,38.2)